# KiCad board P5S533-TVM ISA R101G.kicad_pcb (continued)
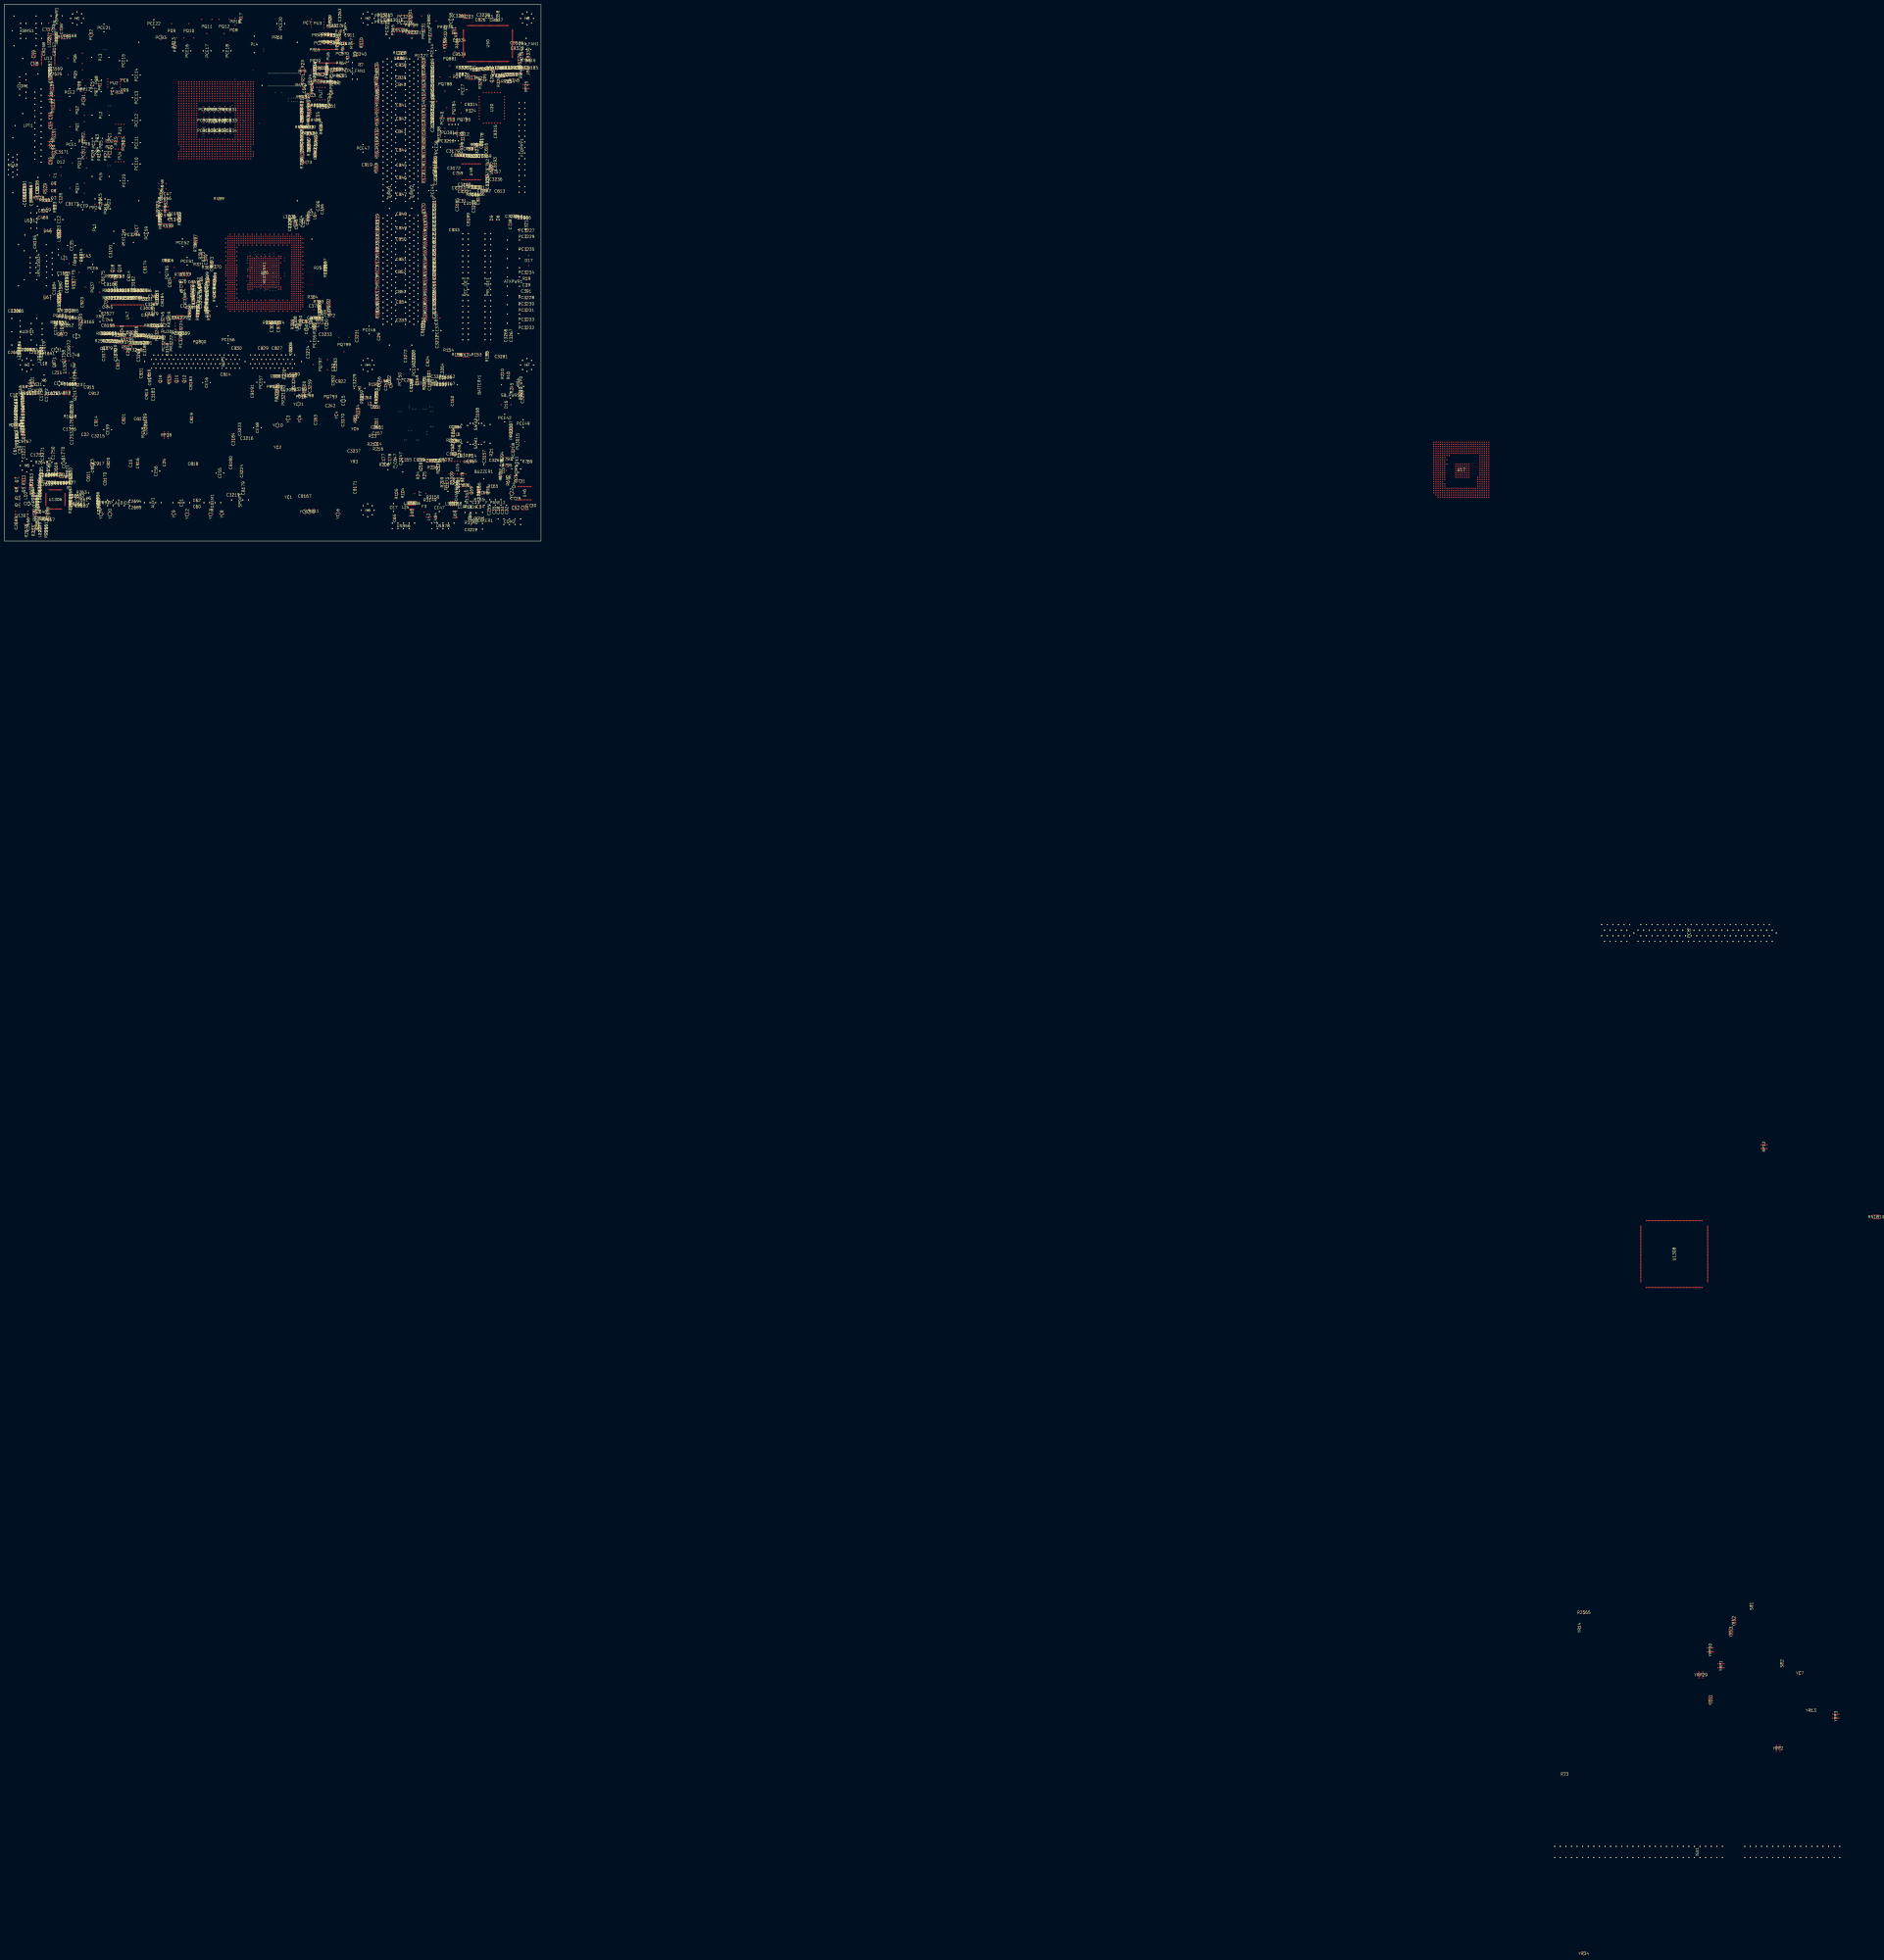
[diagram p0: board, top side]
## Placement (name value [footprint] x y rotation side) (continued)
PQ1  AP70T03GH|ID=60A/PD=53W  [MB_TO252_LF3]  33.07 188.21 90 top
PQ2  AP70T03GH|ID=60A/PD=53W  [MB_TO252_LF3]  33.07 195.78 90 top
PQ3  N-MOSFET AP70T03GJ      TO-251  [TO251_H283_LF3]  42.21 182.96 90 top
PQ4  N-MOSFET AP70T03GJ      TO-251  [TO251_H283_LF3]  42.21 177.37 90 top
PQ5  AP70T03GH|ID=60A/PD=53W  [MB_TO252_LF3]  32.21 211.86 90 top
PQ6  AP70T03GH|ID=60A/PD=53W  [MB_TO252_LF3]  32.11 219.35 90 top
PQ7  AP70T03GJ|ID=60A/PD=53W  [TO251_H283_LF3]  41.71 204.17 90 top
PQ8  AP70T03GJ|ID=60A/PD=53W  [TO251_H283_LF3]  41.83 209.5 90 top
PQ9  AP70T03GH|ID=60A/PD=53W  [MB_TO252_LF3]  75.92 231.83 0 top
PQ10  AP70T03GH|ID=60A/PD=53W  [MB_TO252_LF3]  83.79 231.83 0 top
PQ11  AP70T03GH|ID=60A/PD=53W  [MB_TO252_LF3]  91.97 233.81 180 top
PQ12  AP70T03GH|ID=60A/PD=53W  [MB_TO252_LF3]  99.85 233.81 180 top
PQ13  AP70T03GH|ID=60A/PD=53W  [MB_TO252_LF3]  34.09 171.78 90 top
PQ14  AP70T03GH|ID=60A/PD=53W  [MB_TO252_LF3]  33.07 160.35 90 top
PQ15  N-MOSFET AP70T03GJ      TO-251  [TO251_H283_LF3]  43.48 155.5 90 top
PQ16  N-MOSFET AP70T03GJ      TO-251  [TO251_H283_LF3]  45.9 150.95 90 top
PQ24  2N7002|ID=115MA/PD=225W  [SOT23_H55]  138.94 209.55 270 top
PQ37  AP9T18GH|ID=38A/PD=31.3W  [MB_TO252_LF3]  39.98 115.32 90 top
PQ38  AP2301GN|ID=-10A/PD=1.38W  [SOT23_H49]  24.89 106.1 270 top
PQ784  AP9T18GH|ID=38A/PD=31.3W  [MB_TO252_LF3]  204.24 196.88 90 top
PQ785  PMBS3904|IC=100MA/250MW  [SOT23_H43]  30.73 104.62 180 top
PQ786  AP2301GN|ID=-10A/PD=1.38W  [SOT23_H49]  208.76 191.52 0 top
PQ788  AP9T15GH|ID=12.5A/PD=12.5W  [MB_TO252_LF3]  200.23 207.62 180 top
PQ789  PMBS3904|IC=100MA/250MW  [SOT23_H43]  184.91 234.42 0 top
PQ793  2SD2150|IC=3A/500MW  [SOT89]  148.21 65.61 0 top
PQ795  P3055LDG|ID=12A/PD=48W  [MB_TO252_LF3]  73.89 122.05 90 top
PQ797  P3055LDG|ID=12A/PD=48W  [MB_TO252_LF3]  143.56 80.14 90 top
PQ799  P3055LDG|ID=12A/PD=48W  [MB_TO252_LF3]  154.33 89.26 180 top
PQ800  AP9452GG|ID=4A/PD=1.25W  [SOT89]  88.65 90.5 0 top
PQ879  2N7002|ID=115MA/PD=225W  [SOT23_H55]  148.49 204.42 270 top
PQ880  AP3310GH|ID=-10A/PD=25W  [MB_TO252_LF3]  192.89 236.3 270 top
PQ881  AP9T15GH|ID=12.5A/PD=12.5W  [MB_TO252_LF3]  202.39 219.18 180 top
PQ882  PMBS3904|IC=100MA/250MW  [SOT23_H43]  30.86 101.35 180 top
PQ883  PMBS3904|IC=100MA/250MW  [SOT23_H43]  25.15 102.34 0 top
PR1  1OHM|5%  [R0603_H24]  35.33 181.56 0 top
PR2  8.2KOHM|5%  [R0603_H24]  35.84 183.72 270 top
PR3  4.3OHM|5%  [R0603_H24]  50.72 181.56 270 top
PR5  8.2KOHM|5%  [R0603_H24]  43.87 180.16 270 top
PR6  1OHM|5%  [R1206]  37.24 180.42 180 top
PR7  1OHM|5%  [R0603_H24]  34.7 204.93 0 top
PR8  8.2KOHM|5%  [R0603_H24]  34.09 207.21 270 top
PR9  4.3OHM|5%  [R0603_H24]  54.64 204.8 0 top
PR11  8.2KOHM|5%  [R0603_H24]  43.36 207.09 90 top
PR12  1OHM|5%  [R1206]  36.75 205.31 180 top
PR13  1OHM|5%  [R0603_H24]  76.89 226.34 270 top
PR14  8.2KOHM|5%  [R0603_H24]  77.52 224.56 90 top
PR15  4.3OHM|5%  [R0603_H24]  147.98 235.92 90 top
PR17  8.2KOHM|5%  [R0603_H24]  107.47 237.57 270 top
PR18  1OHM|5%  [R1206]  104.85 235.99 0 top
PR19  1OHM|5%  [R0603_H24]  43.08 175.16 90 top
PR20  8.2KOHM|5%  [R0603_H24]  40.26 175.16 270 top
PR21  4.3OHM|5%  [R0603_H24]  46 175.16 270 top
PR23  8.2KOHM|5%  [R0603_H24]  47.42 153.11 270 top
PR24  1OHM|5%  [R1206]  41.07 151.46 180 top
PR38  30OHM|1%  [R0603]  141.22 215.52 90 top
PR39  3.48KOHM|1%  [R0603_H24]  141.17 218.19 0 top
PR46  4.3OHM|5%  [R0603_H24]  142.14 229.82 180 top
PR47  1.2KOHM|1%  [R0603_H24]  143.15 211.96 0 top
PR48  100KOHM|1%  [R0603_H24]  145.31 230.1 0 top
PR49  143KOHM|1%  [R0603_H24]  146.48 212.55 270 top
PR50  100KOHM|1%  [R0603_H24]  146.58 230.07 0 top
PR51  16.9KOHM|1%  [R0603_H24]  148.62 211.15 270 top
PR52  8.2KOHM|5%  [R0603_H24]  150.39 208.1 0 top
PR53  100KOHM|1%  [R0603_H24]  147.85 229.82 0 top
PR54  100KOHM|1%  [R0603_H24]  149.12 229.82 0 top
PR55  0OHM|5%  [R0603_H24]  149.25 226.64 180 top
PR56  0OHM|5%  [R0603_H24]  145.29 226.82 180 top
PR57  0OHM|5%  [R0603_H24]  146.69 226.77 180 top
PR58  0OHM|5%  [R0603_H24]  147.98 226.26 180 top
PR59  20KOHM|1%  [R0603]  150.39 229.95 180 top
PR60  100KOHM|1%  [R0603_H24]  123.98 228.8 180 top
PR61  130KOHM|1%  [R0603]  152.15 228.09 270 top
PR62  68KOHM|5%  [R0603_H24]  153.14 214.3 180 top
PR63  392KOHM|1%  [R0603_H24]  151.66 211.28 180 top
PR64  240KOHM|1%  [R0603]  153.06 217.12 0 top
PR65  560KOHM|1%  [R0603_H24]  141 223.22 0 top
PR67  82.5KOHM|1%  [R0603_H24]  153.72 223.6 90 top
PR71  560OHM|5%  [R0603_H24]  135.76 210.06 90 top
PR75  2.49KOHM|1%  [R0603_H24]  146.25 197.71 0 top
PR79  1KOHM|1%  [R0402_H16]  139.85 205.69 270 top
PR250  0OHM|5%  [R0603_H24]  149.12 208.48 0 top
PR251  0OHM|5%  [R0603_H24]  147.6 197.69 0 top
PR252  1KOHM|1%  [R0603_H24]  144.73 197.05 180 top
PR253  820OHM|5%  [R0603_H24]  140.82 197.94 0 top
PR254  0OHM|5%  [R0603_H24]  147.85 208.48 0 top
PR437  2.2KOHM|5%  [R0603_H20]  221.79 215.14 0 top
PR1024  10OHM|5%  [R0603_H24]  154.58 226.01 0 top
PR3196  1KOHM|1%  [R0603_H24]  208.25 182.68 90 top
PR3198  1KOHM|1%  [R0603_H24]  197.49 184.66 90 top
PR3200  1.2KOHM|1%  [R0603_H24]  171.73 238.61 0 top
PR3201  4.42KOHM|1%  [R0603_H24]  171.73 235.79 180 top
PR3203  120OHM|1%  [R0603_H24]  230.25 49.66 270 top
PR3207  205OHM|1%  [R0603_H24]  230.25 50.93 90 top
PR3209  1KOHM|1%  [R0603_H24]  123.7 66.8 90 top
PR3210  1KOHM|5%  [R0603_H24]  122.81 70.1 180 top
PR3211  1.2KOHM|1%  [R0603_H24]  126.75 65.28 270 top
PR3215  1.78KOHM|1%  [R0603_H24]  66.93 97.79 0 top
PR3218  1KOHM|1%  [R0603_H24]  68.2 97.79 180 top
PR3219  1KOHM|5%  [R0603_H24]  74.8 100.58 270 top
PR3222  1KOHM|5%  [R0603_H24]  75.82 89.79 90 top
PR3223  1.2KOHM|1%  [R0603_H24]  67.31 92.46 180 top
PR3224  1KOHM|1%  [R0603_H24]  80.26 96.52 90 top
PR3228  1KOHM|1%  [R0603_H24]  68.61 92.46 0 top
PR3229  1.2KOHM|1%  [R0603_H24]  80.64 94.36 0 top
PR3230  15KOHM|1%  [R0603_H24]  200.28 233.55 0 top
PR3231  8.2KOHM|5%  [R0603_H24]  190.37 231.75 90 top
PR3232  1.54KOHM|1%  [R0603_H24]  193.42 229.92 90 top
PR3233  10KOHM|1%  [R0603_H24]  200.46 230.5 270 top
PR3234  0OHM|5%  [R0603_H24]  141.1 214.22 90 top
PR3235  0OHM|5%  [R0603_H24]  141.1 212.6 90 top
PR3236  1KOHM|5%  [R0603_H24]  27.94 104.65 180 top
PR3237  8.2KOHM|5%  [R0603_H24]  33.02 70.99 180 top
PR3238  1KOHM|5%  [R0603_H24]  27.94 101.73 0 top
PRI_IDE1  BOX HEAD 2X20P S/T,K20,BLUE  [BOX_HD_2X20P_100_K20D46_LF3]  219.71 115.57 90 top
PRN4  8.2KOHM|5%  [4R8P]  142.8 208.79 0 top
PRN395  8.2KOHM|5%  [4R8P]  34.62 99.69 90 top
PRN396  1KOHM|5%  [4R8P]  179.71 232.21 180 top
PRN397  1KOHM|5%  [4R8P]  184.3 231.22 180 top
PRN399  1KOHM|5%  [4R8P]  79.63 101.6 0 top
PRN400  100KOHM|5%  [4R8P]  136.27 68.96 90 top
PRN401  1KOHM|5%  [4R8P]  184.4 238 270 top
PU1  SOIC_8P_50_197X236|ADP31100001RZ  [SOIC_8P_50_197X236]  52.5 186.51 270 top
PU2  SOIC_8P_50_197X236|ADP31100001RZ  [SOIC_8P_50_197X236#2]  49.81 208.1 0 top
PU3  SOIC_8P_50_197X236|ADP31100001RZ  [SOIC_8P_50_197X236]  142.37 235.28 0 top
PU4  SOIC_8P_50_197X236|ADP31100001RZ  [SOIC_8P_50_197X236]  52.37 175.21 90 top
PU6  SOIC_28P_26_386X251|ADP3181JRUZ_07G  [SOIC_28P_26_386X251]  147.09 220.29 270 top
PU7  SO8_H69|LM393DR  [SO8_H69]  143.81 203.28 90 top
PU3014  SOIC_8P_50_199X236_VIAS_CHA|CM8562PGISTR  [SOIC_8P_50_199X236_VIAS_CHA]  202.21 185.57 180 top
PU3015  MB_TO252_LF3|L1085DG  [MB_TO252_LF3]  233.2 45.24 270 top
PU3016  SO8_H69|LM358DR  [SO8_H69]  177.55 236.73 0 top
PU3017  SOIC_14P_50_341X236_H69|LM324MX  [SOIC_14P_50_341X236_H69]  74.8 95.12 180 top
PU3018  SO8_H69|LM358DR  [SO8_H69]  129.03 68.71 180 top
Q1  2N7002|ID=800MA/PD=200MW  [SOT23]  81.15 113.41 0 top
Q2  PMBS3904|IC=0.1A/250MW  [SOT23]  159.38 221.23 270 top
Q3  2N7002|ID=800MA/PD=200MW  [SOT23]  5.97 19.56 0 top
Q4  2N7002|ID=800MA/PD=200MW  [SOT23]  5.97 16.36 0 top
Q5  PMBS3904|IC=0.1A/250MW  [SOT23]  8.66 23.37 90 top
Q6  PMBS3904|IC=0.1A/250MW  [SOT23]  229.01 29.16 0 top
Q7  PMBS3904|IC=0.1A/250MW  [SOT23]  5.59 27.81 90 top
Q8  PMBS3904|IC=0.1A/250MW  [SOT23]  5.46 23.37 90 top
Q9  2N7002|ID=115MA/PD=200MW  [SOT23]  75.16 147.19 270 top
Q10  BCR148|IC=70MA/200MW  [SOT23]  70.87 73.66 270 top
Q11  BCR148|IC=70MA/200MW  [SOT23]  78.23 73.66 270 top
Q12  BCR148|IC=70MA/200MW  [SOT23]  81.79 73.66 270 top
Q18  PMBS3904|IC=0.1A/250MW  [SOT23]  49.15 123.83 270 top
Q19  PMBS3904|IC=0.1A/250MW  [SOT23]  52.35 123.83 270 top
Q20  PMBS3904|IC=0.1A/250MW  [SOT23]  221.51 210.06 270 top
Q21  PMBS3904|IC=0.1A/250MW  [SOT23]  218.31 210.57 270 top
Q26  2N7002|ID=800MA/PD=200MW  [SOT23]  81.03 117.98 0 top
Q33  PMBS3904|IC=0.1A/250MW  [SOT23]  219.71 22.99 270 top
Q36  PMBS3904|IC=0.1A/250MW  [SOT23]  226.06 35.43 270 top
Q69  DTC144EK|IC=100MA/200MW  [SOT346]  212.19 22.99 270 top
Q871  HM772|IC=-3A/2W  [SOT89]  22.66 81.28 90 top
Q872  HM772|IC=-3A/1.5W  [SOT89]  26.29 93.9 180 top
Q2117  BCR148|IC=70MA/200MW  [SOT23]  32 66.8 270 top
Q3021  2N7002|ID=115MA/PD=200MW  [SOT23]  209.93 38.86 180 top
R1  0OHM|5%  [R0603]  29.49 24.13 0 top
R2  1K|1%  [R0603]  159.46 54.81 90 top
R3  1K|1%  [R0603]  159.46 56.08 90 top
R4  150OHM|1%  [R0603_H24]  168.91 63.37 90 top
R5  2.7KOHM|5%  [R0603]  219.3 85.19 270 top
R6  2.7KOHM|5%  [R0603]  206.88 84.68 180 top
R7  0OHM|5%  [R0603]  161.93 216.41 180 top
R8  R0402_NOMASK|0OHM  [R0402_NOMASK]  90.3 184.91 270 bottom
R9  R0402_NOMASK|0OHM  [R0402_NOMASK]  90.3 183.9 270 bottom
R10  2.7KOHM|5%  [R0603]  234.95 146.94 180 top
R11  150OHM|1%  [R0603]  192.91 75.95 270 top
R12  49.9OHM|1%  [R0603]  192.91 74.68 90 top
R13  2.7KOHM|5%  [R0603]  167.26 47.65 180 top
R14  0OHM|5%  [R0603]  212.72 38.73 180 top
R15  0OHM|5%  [R0603]  206.04 38.86 0 top
R16  2.7KOHM|5%  [R0603]  237.49 146.94 180 top
R17  0OHM|5%  [R0603]  233.68 146.94 0 top
R18  0OHM|5%  [R0603]  236.22 146.94 0 top
R19  0OHM|5%  [R0603]  237.24 119.2 0 top
R20  0OHM|5%  [R0603]  5.33 59.44 90 top
R21  2.7KOHM|5%  [R0603]  221.28 40.31 270 top
R22  62OHM|5%  [R0603]  139.83 188.09 180 top
R23  62OHM|5%  [R0603]  135.51 216.76 270 top
R24  2.7KOHM|5%  [R0603]  187.96 29.72 90 top
R25  2.7KOHM|5%  [R0603]  190.88 29.72 90 top
R26  4.7KOHM|5%  [R0603]  209.45 212.04 180 top
R27  4.7KOHM|5%  [R0603]  208.15 212.09 180 top
R28  4.7KOHM|5%  [R0603]  206.88 212.09 180 top
R29  4.7KOHM|5%  [R0603]  205.61 210.95 180 top
R30  4.7KOHM|5%  [R0603]  210.67 215.14 0 top
R31  4.7KOHM|5%  [R0603]  209.3 215.14 180 top
R32  4.7KOHM|5%  [R0603]  208.03 215.14 180 top
R33  4.7KOHM|5%  [R0603]  206.73 215.14 180 top
R48  4.7KOHM|5%  [R0603]  205.71 225.58 90 top
R54  0OHM|5%  [R0603]  233.43 72.26 270 top
R56  8.2K|5%  [R0603]  213.21 214.17 180 top
R61  0OHM|5%  [R0603]  150.24 234.19 0 top
R65  8.2K|5%  [R0603]  228.85 26.92 270 top
R67  100K|5%  [R0603]  225.43 29.18 270 top
R70  2M|5%  [R0603]  209.8 25.3 180 top
R71  22MOHM|5%  [R0603]  206.12 25.78 90 top
R73  33OHM|5%  [R0603]  708.96 -560.28 180 top
R79  0OHM|5%  [R0603]  213.36 180.09 180 top
R92  2.7KOHM|5%  [R0603]  22.86 151 90 top
R93  8.2KOHM|5%  [R0603]  22.86 152.4 270 top
R98  2.7KOHM|5%  [R0603]  32.26 128.73 90 top
R99  8.2KOHM|5%  [R0603]  35.18 128.73 270 top
R104  2.7KOHM|5%  [R0603]  180.97 21.84 270 top
R105  8.2KOHM|5%  [R0603]  178.18 21.41 90 top
R122  124OHM|1%  [R0603]  141.22 177.67 270 top
R138  30K|+/-1%  [R0603]  232.54 215.01 180 top
R140  2.7KOHM|5%  [R0603]  223.9 214.81 180 top
R153  4.7K|+/-5%  [R0603]  214.5 84.71 180 top
R154  4.7K|+/-5%  [R0603]  201.8 86.74 180 top
R155  5.6K|+/-5%  [R0603]  219.3 83.82 270 top
R156  5.6K|+/-5%  [R0603]  205.61 84.68 180 top
R161  220|+/-5%  [R0805]  215.72 18.82 0 top
R165  33|+/-5%  [R0603]  222 24.89 180 top
R166  2.7K|+/-5%  [R0603]  215.77 24.13 90 top
R168  68KOHM|5%  [R0603]  215.37 22.73 90 top
R169  1KOHM|1%  [R0603]  217.42 21.97 180 top
R171  68KOHM|5%  [R0603]  211.2 35.86 180 top
R188  22OHM|5%  [R0603]  12.06 157.61 90 top
R189  22OHM|5%  [R0603]  12.06 156.34 90 top
R190  22OHM|5%  [R0603]  18.29 154.81 0 top
R192  22OHM|5%  [R0603]  19.56 154.81 0 top
R195  10M|+/-5%  [R0603]  167.77 71.12 180 top
R200  0OHM|5%  [R0603]  4.47 52.68 0 top
R201  0OHM|5%  [R0603]  12.7 72.26 270 top
R204  56.2|+/-1%  [R0603]  190.75 70.87 270 top
R205  8.2K|5%  [R0603]  197.87 36.58 180 top
R206  1K|1%  [R0603]  194.59 33.4 180 top
R208  10M|+/-5%  [R0603]  172.64 34.67 0 top
R209  100K|+/-5%  [R0603]  198.88 26.67 90 top
R210  1K|1%  [R0603]  226.31 75.9 270 top
R211  8.2K|5%  [R0603]  195.33 36.58 180 top
R212  1K|1%  [R0603]  197.1 32.89 90 top
R213  100K|+/-5%  [R0603]  167.21 43.94 0 top
R214  56.2|+/-1%  [R0603]  194.31 72.64 180 top
R215  0OHM|5%  [R0603]  14.99 7.11 270 top
R216  100K|+/-5%  [R0603]  169.8 41.81 0 top
R217  0OHM|5%  [R0603]  13.21 4.47 90 top
R220  124OHM|1%  [R0603]  127.25 75.69 270 top
R221  53.6OHM|1%  [R0603]  129.41 75.06 0 top
R222  124OHM|1%  [R0603]  130.68 75.06 180 top
R223  10|+/-5%  [R0603]  169.54 133.86 270 top
R226  47|+/-5%  [R0603]  190.37 214 270 top
R245  8.2K|5%  [R0603]  230.5 69.47 90 top
R246  8.2K|+/-5%  [R0603]  192.66 36.58 180 top
R249  240OHM|1%  [R0603_H24]  203.2 45.72 0 top
R251  22OHM|5%  [R0603]  162.43 64.77 90 top
R255  2.7KOHM|5%  [R0603]  169.04 67.18 90 top
R256  2.7KOHM|5%  [R0603]  169.04 65.91 90 top
R259  22OHM|5%  [R0603]  162.43 66.04 90 top
R260  22OHM|5%  [R0603]  164.54 65.15 180 top
R261  2.7KOHM|5%  [R0603]  169.04 53.59 90 top
R262  33OHM|5%  [R0603]  46.61 90.93 180 top
R263  0OHM|5%  [R0603]  35.05 22.1 180 top
R305  8.2K|+/-5%  [R0603]  206.12 27.94 180 top
R315  0|5%  [R0805]  238.99 218.39 180 top
R324  1K|+/-5%  [R0603]  211.91 195.55 0 top
R325  2.7K|5%  [R0603]  224.54 208.66 270 top
R326  330|+/-5%  [R0603]  223.9 211.58 0 top
R327  330|+/-5%  [R0603]  216.08 210.31 180 top
R328  470|+/-5%  [R0603]  216.15 207.77 90 top
R339  10K|+/-1%  [R0603]  232.64 212.09 0 top
R340  10K|+/-1%  [R0603]  234.7 212.6 90 top
R341  10KOHM|3%  [R0603]  103.63 197.36 0 bottom
R342  10KOHM|3%  [R0603]  236.09 214.76 180 top
R348  8.2KOHM|5%  [R0603]  230.89 211.96 0 top
R351  10KOHM|1%  [R0603]  228.09 211.96 180 top
R353  30K|+/-1%  [R0603]  229.49 211.96 180 top
R354  5.1KOHM|1%  [R0603]  229.36 208.79 0 top
R358  0OHM|5%  [R0603]  224.26 238.63 270 top
R366  49.9|+/-1%  [R0603]  121.03 99.19 0 top
R367  43.2|+/-1%  [R0603]  119.76 99.19 180 top
R368  150|+/-1%  [R0603]  89.03 130.43 270 top
R369  49.9OHM|1%  [R0603]  91.95 124.33 180 top
R370  10OHM|1%  [R0603]  96.14 124.59 180 top
R371  100OHM|1%  [R0603]  88.27 125.73 180 top
R372  75|+/-1%  [R0603]  90.42 129.16 90 top
R373  120OHM|1%  [R0603]  94.23 126.75 90 top
R374  56.2|+/-1%  [R0603]  124.84 99.19 0 top
R375  56.2|+/-1%  [R0603]  123.57 99.19 0 top
R376  4.7K|+/-5%  [R0603]  91.95 110.06 90 top
R377  4.7K|+/-5%  [R0603]  85.98 108.31 90 top
R378  4.7K|+/-5%  [R0603]  88.27 111 90 top
R379  4.7K|+/-5%  [R0603]  92.84 102.62 90 top
R380  4.7K|+/-5%  [R0603]  85.98 109.58 90 top
R381  4.7K|+/-5%  [R0603]  92.08 103.91 90 top
R382  150|+/-1%  [R0603]  142.65 101.22 180 top
R383  40.2|+/-1%  [R0603]  142.72 108.76 180 top
R384  40.2|+/-1%  [R0603]  140.03 110.85 0 top
R385  49.9|+/-1%  [R0603]  141.38 101.22 180 top
R386  4.7K|+/-5%  [R0603]  140.94 96.47 270 top
R387  100KOHM|5%  [R0603]  214.88 214.17 0 top
R388  680|+/-5%  [R0603]  132.21 99.82 90 top
R389  680|+/-5%  [R0603]  130.94 98.42 90 top
R390  140OHM|1%  [R0603]  143.18 105.69 90 top
R391  2.7K|+/-5%  [R0603]  87.76 102.62 270 top
R392  10|+/-5%  [R0603]  169.54 212.34 270 top
R393  2.7K|+/-5%  [R0603]  88.01 106.43 270 top
R394  2.7K|+/-5%  [R0603]  84.2 102.62 270 top
R395  10|+/-5%  [R0603]  169.62 203.02 270 top
R396  150|+/-1%  [R0603]  143.18 104.42 270 top
R397  2.7K|+/-5%  [R0603]  87.88 103.89 270 top
R399  2.7K|+/-5%  [R0603]  88.01 105.16 270 top
R400  2.7K|+/-5%  [R0603]  84.2 103.89 270 top
R402  130OHM|1%  [R0603]  95.38 116.71 90 top
R403  10|+/-5%  [R0603]  169.52 143.64 270 top
R406  33OHM|5%  [R0603]  92.02 111.76 90 top
R407  33OHM|5%  [R0603]  95.38 111 90 top
R408  10|+/-5%  [R0603]  169.67 106.05 270 top
R448  2.7K|+/-5%  [R0603]  62.99 49.28 270 top
R472  62|5%  [R0603]  135.03 197.61 270 top
R473  62|5%  [R0603]  137.29 172.09 0 top
R474  62|5%  [R0603]  141.6 183.39 270 top
R475  62|5%  [R0603]  138.05 199.26 90 top
R476  30OHM|1%  [R0603]  135.13 180.72 270 top
R477  210OHM|1%  [R0603]  138.3 182.37 90 top
R478  62|5%  [R0603]  138.18 188.09 180 top
R479  62OHM|5%  [R0603]  143.89 187.07 90 top
R480  62|5%  [R0603]  139.83 185.27 0 top
R481  62|5%  [R0603]  135.13 185.93 270 top
R482  62|5%  [R0603]  136.91 188.09 180 top
R483  62|5%  [R0603]  134.37 188.09 180 top
R484  62|5%  [R0603]  137.29 185.27 0 top
R485  62|5%  [R0603]  135.64 188.09 180 top
R486  62|5%  [R0603]  135.13 190.63 270 top
R487  62OHM|5%  [R0603]  138.05 191.01 90 top
R488  1K|5%  [R0603]  141.48 191.26 0 top
R489  60.4OHM|1%  [R0603]  97.41 155.57 0 top
R490  60.4OHM|1%  [R0603]  135.13 194.56 90 top
R491  60.4OHM|1%  [R0603]  135.03 179.32 90 top
R492  60.4OHM|1%  [R0603]  138.18 192.66 90 top
R493  130OHM|1%  [R0603]  134.62 207.26 180 top
R494  62|5%  [R0603]  136.27 201.8 180 top
R495  62|5%  [R0603]  141.6 182.12 270 top
R496  62|5%  [R0603]  79.5 145.8 270 top
R497  62|5%  [R0603]  69.6 149.61 270 top
R498  0|+/-5%  [R0603]  70.51 154.1 270 top
R499  1K|5%  [R0603]  79.63 147.07 270 top
R500  60.4OHM|1%  [R0603]  135.13 184.02 90 top
R501  60.4OHM|1%  [R0603]  135.08 193.29 90 top
R502  62OHM|5%  [R0603]  143.89 188.34 90 top
R503  60.4OHM|1%  [R0603]  135 201.8 0 top
R504  60.4OHM|1%  [R0603]  135.03 196.34 90 top
R505  0OHM|5%  [R0603_NOMASK]  129.03 200.53 180 bottom
R506  0OHM|5%  [R0603]  74.55 127.51 180 top
R532  8.2KOHM|5%  [R0603]  70.87 144.15 270 top
R533  0OHM|5%  [R0603]  73.28 153.77 90 top
R747  0OHM|5%  [R0805_H24]  157.73 226.06 270 top
R748  10KOHM|1%  [R0603]  231.52 209.27 180 top
R752  62|5%  [R0603]  138.56 185.27 0 top
R755  0|5%  [R0805]  236.93 218.39 180 top
R756  0OHM|5%  [R0603]  64.52 113.79 180 top
R763  8.2KOHM|5%  [R0603]  228.09 208.79 0 top
R764  10KOHM|1%  [R0603]  226.44 211.33 0 top
R765  22KOHM|1%  [R0603]  225.17 211.33 0 top
R766  8.2K|+/-5%  [R0603]  44.2 94.23 180 top
R767  619OHM|1%  [R0603]  79.63 121.03 0 top
R768  62OHM|5%  [R0603]  52.2 120.27 180 top
R769  62OHM|5%  [R0603]  48.13 120.27 180 top
R770  0OHM|5%  [R0603]  211.94 215.14 180 top
R771  33OHM|5%  [R0603]  49.4 120.27 0 top
R772  0OHM|5%  [R0603]  216.15 214.3 180 top
R773  22OHM|5%  [R0603]  53.09 90.17 180 top
R775  62|5%  [R0603]  138.43 197.99 270 top
R776  33OHM|5%  [R0603]  50.93 120.27 0 top
R777  124OHM|1%  [R0603]  138.56 179.83 270 top
R778  0OHM|5%  [R0603]  80.39 115.7 90 top
R779  100OHM|5%  [R0603]  135.13 171.45 270 top
R780  30OHM|1%  [R0603]  138.3 177.29 270 top
R781  27OHM|5%  [R0603]  70.61 146.94 270 top
R783  210OHM|1%  [R0603]  141.22 176.4 90 top
R784  27OHM|5%  [R0603]  86.74 133.73 90 top
R785  27OHM|5%  [R0603]  70.61 148.34 270 top
R786  27OHM|5%  [R0603]  70.61 145.67 270 top
R789  2.7K|+/-5%  [R0603]  237.62 36.07 180 top
R792  0OHM|5%  [R0603]  225.45 30.45 270 top
R793  0OHM|5%  [R0603]  228.32 37.21 180 top
R794  2.7K|+/-5%  [R0603]  226.19 38.38 270 top
R795  2.7K|+/-5%  [R0603]  228.32 34.39 180 top
R801  1KOHM|5%  [R0603]  212.09 178.31 0 top
R802  22OHM|5%  [R0603]  214.63 180.09 0 top
R1227  140OHM|1%  [R0603]  189.53 220.55 0 top
R1228  150|+/-1%  [R0603]  179.43 221.82 180 top
R1492  249OHM|1%  [R0603]  72.92 148.06 180 top
R1495  61.9OHM|1%  [R0603]  77.39 148.72 180 top
R1580  0OHM|5%  [R0603]  25.53 114.86 270 top
R1648  3.6KOHM|5%  [R0603]  29.84 71.37 180 top
R1649  10KOHM|5%  [R0603]  28.57 71.37 180 top
R1650  5.6KOHM|1%  [R0603]  11.66 67.08 180 top
R1651  0OHM|5%  [R0603]  19.94 85.24 0 top
R1652  0OHM|5%  [R0603]  28.45 98.04 180 top
R1653  0OHM|5%  [R0603]  25.15 99.31 180 top
R1654  0OHM|5%  [R0805]  11.56 70.48 90 top
R1655  0OHM|5%  [R0603]  23.88 99.31 180 top
R1656  20KOHM|5%  [R0603]  26.16 96.65 90 top
R1657  0OHM|5%  [R0603]  10.39 67.08 180 top
R1658  0OHM|5%  [R0603]  29.84 56.64 0 top
R1659  1KOHM|5%  [R0603]  5.59 45.47 90 top
R1660  15KOHM|5%  [R0603]  5.59 46.74 270 top
R1661  49.9OHM|1%  [R0603]  8.13 65.79 270 top
R1662  49.9OHM|1%  [R0603]  8.15 64.52 270 top
R1663  49.9OHM|1%  [R0603]  5.33 62.87 270 top
R1664  49.9OHM|1%  [R0603]  5.33 61.59 270 top
R1665  49.9OHM|1%  [R0603]  5.26 56.36 270 top
R1666  49.9OHM|1%  [R0603]  5.26 55.09 270 top
R1667  49.9OHM|1%  [R0603]  7.8 53.47 270 top
R1668  49.9OHM|1%  [R0603]  7.8 52.2 270 top
R1669  1KOHM|5%  [R0603]  64.01 54.86 90 top
R1673  33OHM|5%  [R0603]  21.34 67.06 0 top
R1703  4.7KOHM|5%  [R0603]  210.29 20.04 270 top
R2525  33|+/-5%  [R0603]  23.22 212.22 0 top
R2526  2.7K|+/-5%  [R0603]  20.7 213.87 270 top
R2527  10M|+/-5%  [R0603]  46.86 103.38 180 top
R2528  0OHM|5%  [R0603]  48.01 94.23 0 top
R2529  33OHM|5%  [R0603]  50.04 110.49 0 top
R2530  49.9|+/-1%  [R0603]  50.04 113.79 0 top
R2531  33OHM|5%  [R0603]  51.31 110.49 0 top
R2532  49.9|+/-1%  [R0603]  51.31 113.79 0 top
R2533  475OHM|1%  [R0603]  56.39 113.79 0 top
R2534  33OHM|5%  [R0603]  53.85 110.44 0 top
R2535  49.9|+/-1%  [R0603]  53.85 113.79 0 top
R2536  33OHM|5%  [R0603]  55.12 110.44 0 top
R2537  49.9|+/-1%  [R0603]  55.12 113.79 0 top
R2540  33OHM|5%  [R0603]  59.44 113.79 0 top
R2541  10OHM|5%  [R0603]  49.28 94.23 180 top
R2542  10OHM|5%  [R0603]  50.55 94.23 180 top
R2554  33OHM|5%  [R0603]  61.98 113.79 0 top
R2556  8.2K|+/-5%  [R0603]  46.74 94.23 180 top
R2557  33OHM|5%  [R0603]  44.07 90.93 180 top
R2561  33OHM|5%  [R0603]  47.88 90.81 180 top
R2565  22OHM|5%  [R0603]  717.71 -486.86 180 top
R2568  22OHM|5%  [R0603]  59.56 93.22 180 top
R2569  33OHM|5%  [R0603]  63.37 93.34 180 top
R2570  33OHM|5%  [R0603]  62.23 90.04 180 top
R2571  33OHM|5%  [R0603]  51.82 93.47 180 top
R2573  22OHM|5%  [R0603]  64.64 93.34 180 top
R2574  10|5%  [R0603]  143.64 124.08 180 top
R2648  0OHM|5%  [R0603]  16.89 35.69 180 top
R2650  0OHM|5%  [R0603]  30.1 30.35 90 top
R2654  22OHM|5%  [R0603]  30.07 19.63 90 top
R2655  22KOHM|5%  [R0603]  16.76 30.73 270 top
R2656  22KOHM|5%  [R0603]  19.94 32 270 top
R2657  10OHM|5%  [R0603]  32.13 20.45 180 top
R2660  22KOHM|5%  [R0603]  18.95 4.47 90 top
R2661  22KOHM|5%  [R0603]  19.05 5.82 90 top
R2662  22KOHM|5%  [R0603]  16.76 29.46 270 top
R2663  22KOHM|5%  [R0603]  12.32 27.69 90 top
R2664  5.6KOHM|5%  [R0603]  13.21 20.45 90 top
R2665  1M|+/-5%  [R0603]  33.78 16.89 0 top
R2666  10K|+/-5%  [R0603]  32.28 16.33 0 top
R2667  4.7K|+/-5%  [R0603]  19.89 9.65 0 top
R2668  10K|+/-5%  [R0603]  29.87 15.47 270 top
R2669  4.7K|+/-5%  [R0603]  23.52 32.77 90 top
R2670  5.6K|+/-5%  [R0603]  29.97 28.45 90 top
R2671  2.7KOHM|5%  [R0603]  28.65 31.78 90 top
R2672  8.2K|5%  [R0603]  22.66 30.23 180 top
R2677  22KOHM|5%  [R0603]  14.99 8.38 270 top
R2678  22KOHM|5%  [R0603]  10.03 4.57 90 top
R3064  0OHM|5%  [R0603]  214.05 157.35 0 top
R3065  0OHM|5%  [R0603]  212.78 157.35 0 top
R3149  2.7KOHM|5%  [R0603]  193.4 18.64 180 top
R3150  8.2KOHM|5%  [R0603]  194.69 19.96 0 top
R3156  0OHM|5%  [R0603]  145.8 122.81 270 top
R3157  0OHM|5%  [R0603]  145.8 125.43 270 top
R3167  8.2K|5%  [R0603]  201.8 71.5 180 top
R3168  1M|+/-5%  [R0603]  206.12 24.51 270 top
R3212  8.2K|5%  [R0603]  237.11 144.02 270 top
R3213  220|5%  [R0805]  234.44 67.16 270 top
R3230  22OHM|5%  [R0603]  214.76 177.67 90 top
R3231  8.2K|+/-5%  [R0603]  64.39 109.98 180 top
R3232  8.2K|+/-5%  [R0603]  213.36 160.66 0 top
R3233  8.2K|+/-5%  [R0603]  213.36 174.88 0 top
R3234  8.2K|+/-5%  [R0603]  63.25 113.79 180 top
R3235  33OHM|5%  [R0603]  47.5 110.49 0 top
R3236  49.9|+/-1%  [R0603]  47.5 113.79 0 top
R3237  33OHM|5%  [R0603]  48.77 110.49 0 top
R3238  49.9|+/-1%  [R0603]  48.77 113.79 0 top
R3239  8.2K|+/-5%  [R0603]  59.69 89.79 0 top
R3240  8.2K|+/-5%  [R0603]  59.69 86.87 180 top
R3539  0OHM|5%  [R0603]  58.93 110.49 0 top
R3540  220|+/-5%  [R0805]  212.12 8.33 180 top
RN1  2.7KOHM|5%  [4R8P]  204.29 231.9 270 top
RN4  0|+/-5%  [4R8P]  24.77 139.7 90 top
RN5  0|+/-5%  [4R8P]  24.89 110.24 90 top
RN6  0|+/-5%  [4R8P]  185.22 17.14 180 top
RN7  0|+/-5%  [4R8P]  204.01 17.02 180 top
RN8  2.7KOHM|5%  [4R8P]  28.32 67.31 0 top
RN9  470|+/-5%  [4R8P]  202.95 191.52 180 top
RN10  2.7KOHM|5%  [4R8P]  162.18 226.31 270 top
RN11  2.7KOHM|5%  [4R8P]  8.79 27.69 270 top
RN12  62OHM|5%  [4R8P]  135.25 175.39 270 top
RN13  62OHM|5%  [4R8P]  138.56 195.33 270 top
RN14  56OHM|5%  [4R8P_NOMASK]  131.83 200.53 0 bottom
RN15  62OHM|5%  [4R8P]  139.06 202.69 180 top
RN16  56OHM|5%  [4R8P_NOMASK#2]  140.21 212.85 270 bottom
RN17  8.2KOHM|5%  [4R8P]  55.75 88.01 180 top
RN24  8.2K|+/-5%  [4R8P]  209.68 84.45 180 top
RN28  2.7KOHM|5%  [4R8P]  15.62 155.96 0 top
RN29  75OHM|5%  [4R8P]  18.54 160.12 90 top
RN34  8.2K|+/-5%  [4R8P]  74.93 73.53 90 top
RN35  4R8P|10  [4R8P]  169.24 215.14 270 top
RN36  4R8P|47  [4R8P]  191.13 101.85 270 top
RN37  4R8P|10  [4R8P]  168.91 209.68 270 top
RN38  4R8P|47  [4R8P]  191.13 105.89 270 top
RN39  4R8P|10  [4R8P]  169.29 205.69 270 top
RN40  4R8P|47  [4R8P]  191.13 109.86 270 top
RN41  4R8P|47  [4R8P]  191.13 114.43 270 top
RN42  4R8P|10  [4R8P]  169.24 200.36 270 top
RN43  4R8P|47  [4R8P]  191.13 118.49 270 top
RN44  4R8P|10  [4R8P]  169.24 195.91 270 top
RN45  4R8P|47  [4R8P]  191.13 122.53 270 top
RN46  4R8P|47  [4R8P]  191.16 126.49 270 top
RN47  4R8P|47  [4R8P]  191.13 131.27 270 top
RN48  4R8P|47  [4R8P]  191.13 135.23 270 top
RN49  4R8P|47  [4R8P]  191.13 139.19 270 top
RN50  4R8P|10  [4R8P]  169.24 185.42 270 top
RN51  4R8P|47  [4R8P]  190.5 184.73 270 top
RN52  4R8P|47  [4R8P]  190.55 188.7 270 top
RN53  4R8P|10  [4R8P]  169.24 176.23 270 top
RN54  4R8P|47  [4R8P]  190.5 196.98 270 top
RN55  4R8P|47  [4R8P]  190.58 201.93 270 top
RN56  4R8P|10  [4R8P]  168.91 169.54 270 top
RN57  4R8P|47  [4R8P]  190.58 211.15 270 top
RN58  4R8P|47  [4R8P]  190.5 217.17 270 top
RN59  4R8P|10  [4R8P]  169.52 146.25 270 top
RN61  4R8P|47  [4R8P]  191.39 143.15 270 top
RN62  4R8P|10  [4R8P]  169.52 141 270 top
RN63  4R8P|47  [4R8P]  190.58 206.71 270 top
RN64  4R8P|10  [4R8P]  169.29 190.88 270 top
RN65  4R8P|47  [4R8P]  191.13 147.17 270 top
RN66  4R8P|10  [4R8P]  169.52 137.01 270 top
RN67  4R8P|47  [4R8P]  190.5 192.91 270 top
RN68  4R8P|10  [4R8P]  169.42 131.19 270 top
RN69  4R8P|10  [4R8P]  169.24 180.97 270 top
RN70  4R8P|47  [4R8P]  190.5 151.13 270 top
RN71  4R8P|10  [4R8P]  169.42 122.89 270 top
RN72  4R8P|47  [4R8P]  190.5 164.85 270 top
RN73  4R8P|10  [4R8P]  169.42 127 270 top
RN74  4R8P|47  [4R8P]  190.5 168.88 270 top
RN75  4R8P|10  [4R8P]  169.42 113.67 270 top
RN76  4R8P|47  [4R8P]  190.5 172.85 270 top
RN78  4R8P|10  [4R8P]  169.42 118.44 270 top
RN79  4R8P|47  [4R8P]  190.5 176.81 270 top
RN80  4R8P|10  [4R8P]  169.42 109.22 270 top
RN81  4R8P|47  [4R8P]  190.5 180.77 270 top
RN82  4R8P|10  [4R8P]  169.52 103.38 270 top
RN83  4R8P|470  [4R8P]  200.15 225.93 270 top
RN92  4R8P|4.7K  [4R8P]  147.27 107.7 90 top
RN97  56OHM|5%  [4R8P_H24]  86.87 136.78 90 top
RN98  56OHM|5%  [4R8P_H24]  74.3 143.26 180 top
RN99  27OHM|5%  [4R8P]  82.42 121.23 0 top
RN174  8.2KOHM|5%  [4R8P]  212.34 210.57 180 top
RN178  4.7K|5%  [4R8P]  234.19 218.57 90 top
RN189  4R8P|33  [4R8P]  21.59 205.74 90 top
RN190  4R8P|33  [4R8P]  22.35 176.91 270 top
RN191  4R8P|33  [4R8P]  22.4 184.51 270 top
RN192  4R8P|33  [4R8P]  22.02 197.71 270 top
RN193  2.7KOHM|5%  [4R8P]  27.18 228.98 0 top
RN194  68OHM|5%  [4R8P]  160.66 58.8 90 top
RN195  8.2K|+/-5%  [4R8P]  55.75 91.57 180 top
RN203  560OHM|5%  [4R8P]  210.01 238.25 0 top
RN877  330OHM|5%  [4R8P]  31.52 117.45 90 top
RN1810  2.7KOHM|5%  [4R8P]  13.72 12.7 90 top
RN1811  4.7KOHM|5%  [4R8P]  25.27 30.1 180 top
RN1812  8.2KOHM|5%  [4R8P]  12.19 24.64 90 top
RN1813  2.7KOHM|5%  [4R8P]  850.5 -307.13 0 top
RP3  680OHM|5%  [8R10P]  135.38 213.49 0 top
RP4  1KOHM|5%  [8R10P]  73.13 151.1 90 top
RP12  2.7KOHM|5%  [8R10P]  799.55 -275.21 270 top
RP23  8R10P|2.7K  [8R10P]  21.36 201.45 90 top
RP24  8R10P|2.7K  [8R10P]  21.31 180.7 270 top
RP25  8R10P|150  [8R10P]  237.11 206.5 270 top
RP28  8R10P|2.7K  [8R10P]  73.53 48.13 0 top
SATA1  SATA CON 7P S/T DIP,SHIELD BK  [SATA_7P_50_2HOLD_WIN2]  214.25 44.45 270 top
SATA2  SATA CON 7P S/T DIP,SHIELD BK  [SATA_7P_50_2HOLD_WIN2]  214.25 52.96 90 top
SB_PWR1  LED GREEN 3D 3.2mm DIP  [LED_D_2P_100_BD157_LF3]  229.95 66.22 180 top
SEC_IDE1  BOX HEAD 2X20P S/T 2.54mm,K20  [BOX_HD_2X20P_100_K20D46_LF3]  209.55 115.57 90 top
SPDIF1  HEADER 1X4P S/T 2.54mm,K2 G/F  [HD_1X4P_100_K2_LF3]  107.06 18.64 270 top
SPEAKER1  HD_1X4P_100_LF3|HEADER_1X4P  [HD_1X4P_100_LF3]  217.25 9.22 0 top
SR1  1KOHM|5%  [R0603_H24]  793.88 -483.95 90 top
SR2  1KOHM|5%  [R0603_H24]  807.73 -510.06 270 top
T2  TP30-68|TP30  [TP30-68]  123.19 203.71 90 bottom
T3  TP30-68|TP31  [TP30-68]  125.98 203.71 90 bottom
T5  TP_BD40|TP_BD40  [TP_BD40]  104.78 209.8 90 bottom
TP1  TP_BD40|TP_BD40  [TP_BD40]  79.88 179.45 90 bottom
TP2  TP_BD40|TP_BD40  [TP_BD40]  79.88 177.67 90 bottom
TP4  TP_BD40|TP_BD40  [TP_BD40]  113.03 213.87 90 bottom
TP12  TP_BD40|TP_BD40  [TP_BD40]  108.84 208.53 90 bottom
TP20  TP_BD40|TP_BD40  [TP_BD40]  107.44 178.94 90 bottom
TP21  TP_BD40|TP_BD40  [TP_BD40]  111.38 202.56 90 bottom
TP22  TP_BD40|TP_BD40  [TP_BD40]  108.08 202.31 90 bottom
TP23  TP_BD40|TP_BD40  [TP_BD40]  110.11 204.85 90 bottom
TP24  TP_BD40|TP_BD40  [TP_BD40]  106.5 207.65 90 bottom
TP32  TP_BD40|TP_BD40  [TP_BD40]  97.03 182.93 90 bottom
TP33  TP_BD40|TP_BD40  [TP_BD40]  101.47 182.75 90 bottom
TP34  TP_BD40|TP_BD40  [TP_BD40]  99.19 182.93 90 bottom
TP35  TP_BD40|TP_BD40  [TP_BD40]  94.01 182.65 90 bottom
TP36  TP_BD40|TP_BD40  [TP_BD40]  115.95 189.76 90 bottom
TP37  TP_BD40|TP_BD40  [TP_BD40]  108.89 190.83 90 bottom
TP45  TP_BD40|TP_BD40  [TP_BD40]  104.39 181.61 90 bottom
TP46  TP_BD40|TP_BD40  [TP_BD40]  106.5 182.09 90 bottom
U13  SOIC_20P_26_256X252|ST75185  [SOIC_20P_26_256X252]  19.89 219.35 180 top
U15  SOIC_14P_50_341X236|74HC132  [SOIC_14P_50_341X236]  205.87 33.32 90 top
U17  BGA_505P_39_1063X1063|SIS964  [BGA_505P_39_1063X1063]  662.01 32.44 0 top
U26  THERMAL GREASE AK-100 20G  [BGA_839P_39_1476X1476]  118.11 121.92 0 top
U30  FLASH WINBOND W39V040CPZ  [PLCC_SOCK_32P_50]  221.49 196.85 270 top
U46  SOIC_20P_26_256X252|ST75185  [SOIC_20P_26_256X252]  236.35 21.72 270 top
U47  SOIC_48P_25_625X406|ICS952018  [SOIC_48P_25_625X406]  55.88 102.49 270 top
U48  SOIC_28P_25_402X307|RTM680_627  [SOIC_28P_25_402X307]  212.09 167.77 270 top
U50  QFP_128P_20_913X677|W83627EHF_A  [QFP_128P_20_913X677]  219.71 226.06 90 top
U66  SOT23_S6_H43|CM1213_04SO  [SOT23_S6_H43]  19.63 140.94 0 top
U67  SOT23_S6_H43|CM1213_04SO  [SOT23_S6_H43]  19.56 110.74 0 top
U68  SOT23_S6_H43|CM1213_04SO  [SOT23_S6_H43]  185.17 12.83 90 top
U69  SOT23_S6_H43|CM1213_04SO  [SOT23_S6_H43]  204.76 12.13 270 top
U1304  SO8|AT93C46  [SO8]  27.43 79.12 270 top
U1306  QFP_48P_20_354X354|ALC655  [QFP_48P_20_354X354]  23.19 18.87 0 top
U1307  LM78L05ACM|IO=100MA/200W  [SO8]  7.87 11.56 0 top
U1308  QFP_160P_26_1229X1229_H145|IT8888F-L  [QFP_160P_26_1229X1229_H145]  758.78 -324 90 top
USB12  USB CON 2X4P STACK W/S DIP  [USB_2X4P_LF3]  12.19 145.62 180 top
USB56  HEADER 2X5P 2.54mm S/T K9 JVE/  [HD_2X5P_100_K9_USB_HD46_LF3]  181.36 6.86 0 top
USB78  HEADER 2X5P 2.54mm S/T K9 JVE/  [HD_2X5P_100_K9_USB_HD46_LF3]  199.26 6.86 0 top
VGA1  DDC CONN 15P3R (BLUE) S.B W/SC  [D_SUB_15P3R_2HOLD_SB_LF3]  3.84 170.76 0 top
WOL1  WAFER_HD_1X3P_79_HOLD_LF3|WAFER_4P  [WAFER_HD_1X3P_79_HOLD_LF3]  232.69 36.04 90 top
WOR1  WAFER_HD_1X3P_79_HOLD_LF3|WAFER_4P  [WAFER_HD_1X3P_79_HOLD_LF3]  232.56 31.98 90 top
X1  MB_XTAL_2P_452X197_H145_LFH|12MHZ  [MB_XTAL_2P_452X197_H145_LFH]  161.34 69.39 270 top
X5  XTAL 24.576MHZ 49US 16PF/30PPM  [MB_XTAL_2P_452X197_H145_LFH]  38.25 19.43 0 top
X6  XTAL 25 MHZ DIP 49US 20PF/30PP  [MB_XTAL_2P_452X197_H145_LFH]  18.01 73 0 top
X7  P5S533-TVM ISA/THTF/SI <GA>  [MB_XTAL_2P_452X180_2HLD_LF3]  177.62 33.66 180 top
X10  XTAL 14.31818MHZ DIP HC-49/S  [MB_XTAL_2P_452X197_H145_LFH]  43.43 102.11 180 top
YC1  0.1UF/25V|MLCC/+80%-20%  [C0603]  129.03 19.91 180 top
YC2  0.1UF/25V|MLCC/+80%-20%  [C0603]  124.08 42.55 180 top